# Altium PCB power.PcbDoc (part 1 of 3) (continued)
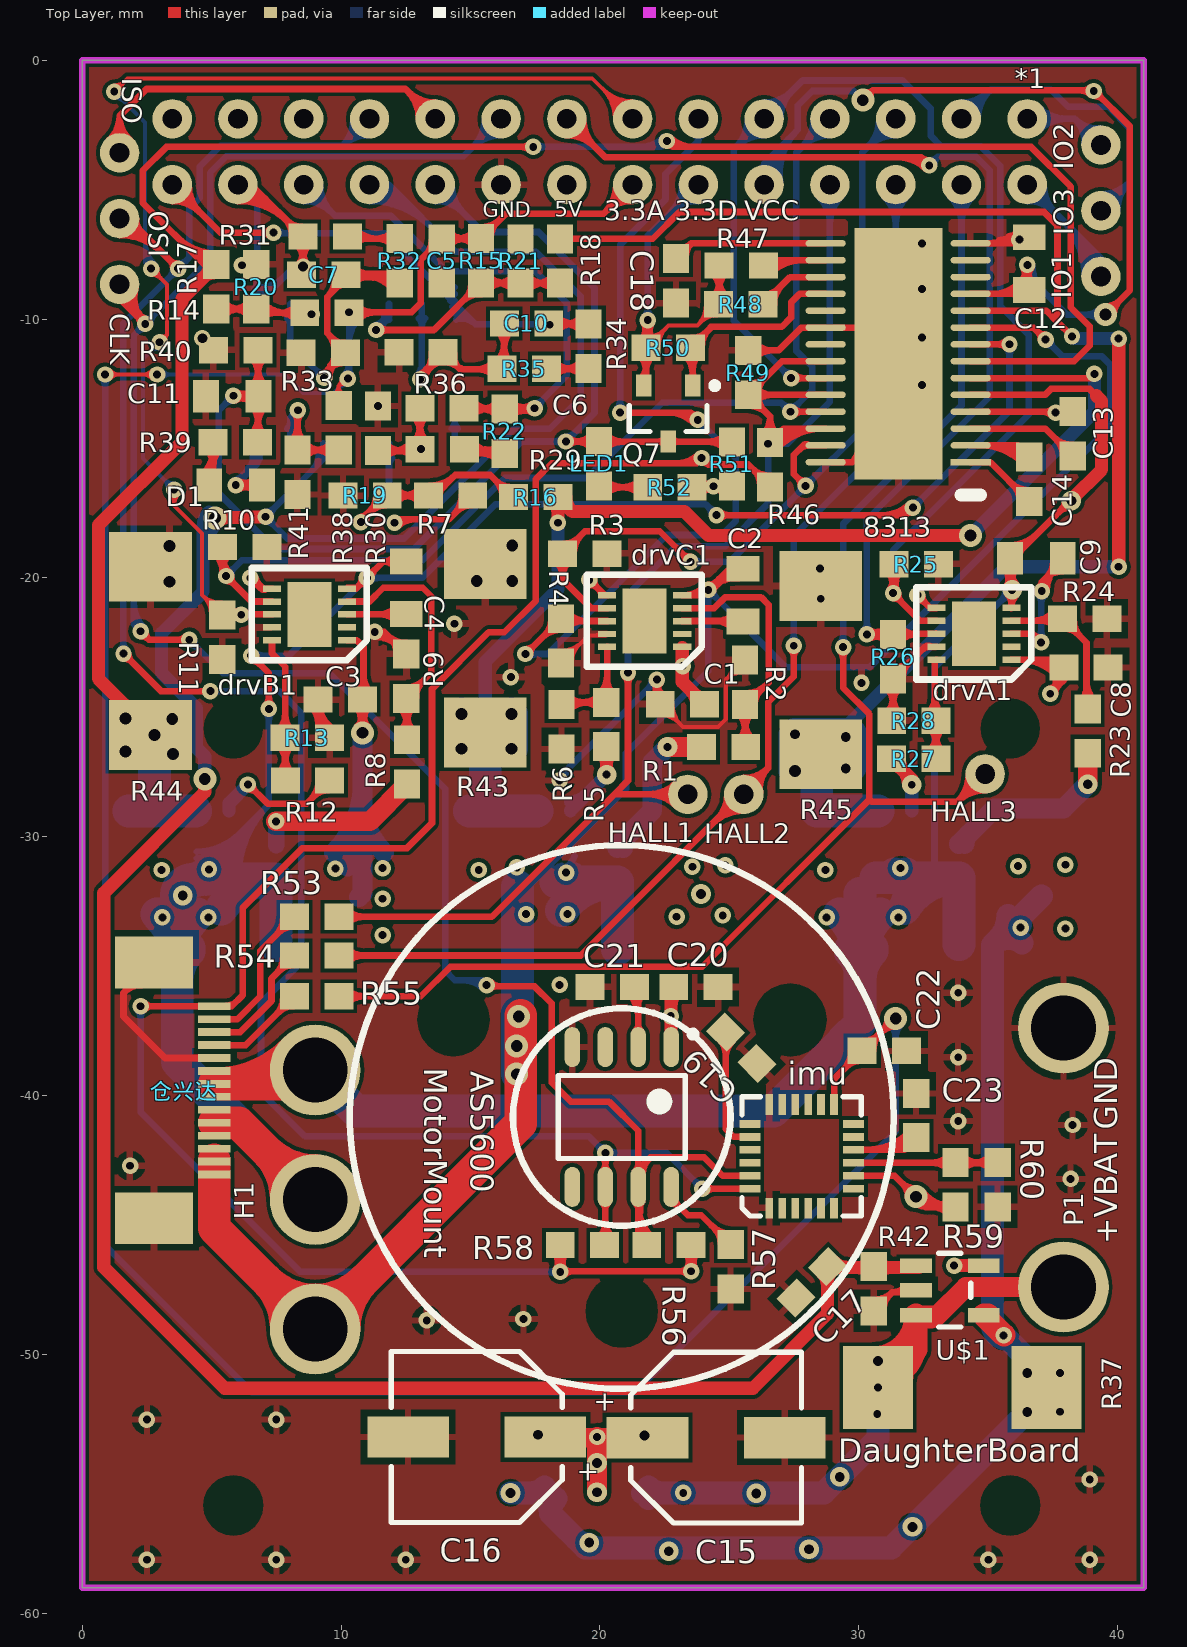
[diagram p0: Top Layer view]
## Part data
B1 MotorMount: library part SolderBridge, "Connector"
C1 C2 C3 C4 C8 C9 C12: "Capacitor"
C5 C6 C7 C10 C11 C13 C14 C17 C18 C19 C20 C21 C22 C23: library part Cap, "Capacitor"
C15 C16: library part C-USC0402, "电容"
D1: "Default Diode"
H1: library part CON3, "Connector"
LED1: "LED"
P1: library part PowerCon, "Connector"
R1 R2 R3 R4 R5 R6 R8 R9 R10 R11 R12 R13 R23 R24 R25 R26 R27 R28: "Resistor"
R7 R14 R15 R16 R17 R18 R19 R20 R21 R22 R29 R30 R31 R32 R33 R34 R35 R36 R37 R38 R39 R40 R41 R42 R43 R44 R45 R46 R47 R48 R49 R50 R51 R52 R53 R54 R55 R56 R57 R58 R59 R60: library part Res1, "Resistor"

## Via types
v1: diameter 0.635, hole 0.305, Top Layer to Bottom Layer, 147 vias
v2: diameter 0.889, hole 0.457, Top Layer to Bottom Layer, 25 vias
v3: diameter 0.762, hole 0.381, Top Layer to Bottom Layer, 18 vias
v4: diameter 0.635, hole 0.381, Top Layer to Bottom Layer, 5 vias
v5: diameter 0.762, hole 0.305, Top Layer to Bottom Layer, 4 vias
v6: diameter 0.762, hole 0.457, Top Layer to Bottom Layer, 1 vias

## Nets (pads, with @x,y where several pads share a name; then routed paths per layer and width w, separated by ;. In a path a pad name is that pad's centre, name@x,y a point inside that pad or via, vN(x,y) a via of type N, cw(c..) or ccw(c..) an arc to the next point about the centre after c; other vN are vias at no path point)
3.3: drvA1.6 drvB1.6 drvC1.6 | length 6.8
  Top Layer w0.254: v1@6.502,-20.19 cw(c6.502,-20.65) 6.828,-20.324 cw(c7.153,-19.999) v1@6.693,-19.999 ; v1(6.502,-19.999) 6.912,-20.408 ; v1@6.688,-19.955 ccw(c7.406,-19.784) drvB1.6@7.037,-20.423 ; v1@6.691,-20.026 ccw(c6.963,-20.064) 6.825,-20.301 ; 6.776,-20.272 ccw(c7.109,-19.939) drvB1.6@7.109,-20.41 ; drvB1.6@7.11,-20.41 cw(c7.012,-20.308) 6.912,-20.408 ; drvB1.6@7.334,-20.408 6.912,-20.408 ; v1@19.583,-20.266 cw(c19.583,-20.726) 19.909,-20.401 cw(c20.234,-20.075) v1@19.774,-20.075 ; v1(19.583,-20.075) 20.17,-20.662 drvC1.6@20.275,-20.662 ; 19.969,-20.461 cw(c19.767,-20.662) drvC1.6@20.052,-20.662 ; v1@32.258,-20.85 cw(c32.258,-21.31) 32.583,-20.985 cw(c32.908,-20.66) v1@32.448,-20.66 ; v1(32.258,-20.66) 32.756,-21.158 drvA1.6@32.988,-21.158
3.3A: *1.22 C5.1 C22.2 imu.8 imu.13 OP4-*.4 R7.2 R14.2 R15.2 R38.2 R59.1 | length 150.5
  Top Layer w0.152: v1(0.889,-12.141) v1(2.896,-12.141) ; v1@1.06,-12.312 cw(c1.472,-12.724) 1.472,-12.141 cw(c1.472,-11.559) v1@1.06,-11.971 ; v1@2.725,-12.312 ccw(c2.313,-12.724) 2.313,-12.141 ccw(c2.313,-11.559) v1@2.725,-11.971 ; R38.2@9.707,-12.91 ccw(c9.536,-12.582) 9.906,-12.582 ; R38.2@9.906,-13.344 9.906,-12.582 ; v1@10.02,-12.304 cw(c9.63,-12.306) 9.906,-12.582 ; R38.2@10.105,-12.91 cw(c10.276,-12.582) 9.906,-12.582 ; v1@10.173,-12.527 ccw(c10.081,-12.758) 9.906,-12.582 ; v1@10.185,-12.303 9.906,-12.582
  Top Layer w0.254: v1(10.312,-9.738) 12.725,-9.738 13.081,-9.382 13.081,-7.705 C5.1@13.885,-6.901 ; R14.2@10.447,-9.872 cw(c10.772,-10.198) 10.772,-9.738 cw(c10.772,-9.278) R14.2@10.447,-9.603 ; R14.2@10.633,-10.032 cw(c11.344,-10.744) 11.344,-9.738 ; R14.2@10.633,-9.494 ccw(c11.222,-8.905) 11.222,-9.738 ; v1@12.09,-17.891 12.243,-17.739 14.16,-17.739 R7.2@15.088,-16.812 ; v1@12.2,-18 cw(c12.832,-18.632) 12.832,-17.739 ; 13.147,-7.638 cw(c13.885,-8.375) C5.1@13.885,-7.333 ; 13.27,-7.515 ccw(c12.706,-6.952) C5.1@13.504,-6.952 ; C5.1@13.91,-6.887 R15.2@15.409,-6.887 16.368,-5.928 20.142,-5.928 *1.22@21.26,-4.81 ; C5.1@14.154,-7.17 cw(c14.837,-7.854) 14.837,-6.887 ; C5.1@14.154,-6.632 ccw(c14.771,-6.014) 14.771,-6.887 ; 14.35,-17.549 ccw(c13.613,-16.812) R7.2@14.656,-16.812 ; 14.473,-17.426 cw(c15.037,-17.99) R7.2@15.037,-17.193 ; R15.2@15.139,-7.157 ccw(c14.489,-7.807) 14.489,-6.887 ccw(c14.489,-5.968) R15.2@15.139,-6.618 ; R15.2@15.409,-6.456 ccw(c15.409,-5.413) 16.146,-6.15 ; R15.2@15.79,-6.837 cw(c16.587,-6.837) 16.023,-6.273 ; *1.22@20.625,-4.81 cw(c19.092,-4.81) 20.176,-5.894 cw(c21.26,-6.978) *1.22@21.26,-5.445 ; *1.22@20.879,-4.81 cw(c19.959,-4.81) 20.609,-5.46 cw(c21.26,-6.111) *1.22@21.26,-5.191 ; imu.13@29.04,-40.333 29.04,-39.347 C22.2@30.124,-38.262 31.166,-37.22 v2@31.166,-37.008 ; 29.387,-38.999 ccw(c28.65,-38.262) C22.2@29.693,-38.262 ; 29.51,-38.876 cw(c30.074,-39.44) C22.2@30.074,-38.643 ; imu.8@29.79,-43.083 31.374,-43.083 32.584,-44.293 ; C22.2@30.175,-37.881 ccw(c30.175,-37.084) 30.739,-37.647 ; C22.2@30.556,-38.262 cw(c31.599,-38.262) 30.862,-37.525 ; 30.807,-37.579 cw(c31.42,-38.192) v2@31.42,-37.325 ; 30.907,-37.479 ccw(c30.436,-37.008) v2@31.102,-37.008 ; 31.622,-43.331 ccw(c32.207,-42.746) v2@32.207,-43.574 ; 31.683,-43.393 cw(c31.185,-43.891) v2@31.89,-43.891 ; v2@32.06,-44.012 ccw(c32.655,-43.522) 32.655,-44.293 ; v2@32.256,-43.851 ccw(c33.193,-43.08) 33.193,-44.293 ; v2@32.274,-44.202 cw(c32.344,-44.533) 32.584,-44.293 ; v2@32.452,-43.69 ccw(c33.731,-42.638) R59.1@33.731,-44.293 32.584,-44.293 ; v2@32.51,-43.988 ccw(c32.798,-44.08) 32.584,-44.293 ; R59.1@33.462,-44.563 ccw(c32.811,-45.213) 32.811,-44.293 ccw(c32.811,-43.374) R59.1@33.462,-44.024
  Bottom Layer w0.152: v1@2.87,-12.141 v1(2.896,-12.141) 7.823,-12.141 8.534,-12.852 9.712,-12.852 v1(10.262,-12.303) ; v1@3.066,-12.312 cw(c3.478,-12.724) 3.478,-12.141 cw(c3.478,-11.559) v1@3.066,-11.971 ; v1@10.02,-12.303 cw(c9.438,-12.303) 9.85,-12.715 cw(c10.262,-13.127) v1@10.262,-12.544
  Bottom Layer w0.254: v1@0.754,-12.276 cw(c0.429,-12.601) 0.889,-12.601 cw(c1.349,-12.601) v1@1.024,-12.276 ; v1(0.889,-12.141) 0.889,-45.771 6.553,-51.435 21.361,-51.435 31.42,-41.377 v2(31.42,-37.008) ; v1@10.127,-12.168 ccw(c9.679,-11.72) 10.312,-11.72 ; v1@10.178,-9.872 cw(c9.852,-10.198) 10.312,-10.198 cw(c10.772,-10.198) OP4-*.4@10.447,-9.872 ; v1(10.262,-12.303) 10.312,-12.252 v1(10.312,-9.738) 10.312,-9.672 OP4-*.4@10.583,-9.402 ccw(c10.805,-9.625) OP4-*.4@10.498,-9.695 ; 10.312,-11.966 ccw(c10.599,-11.966) v1@10.396,-12.168 ; 10.312,-10.922 cw(c11.652,-10.922) OP4-*.4@10.705,-9.974 ; 10.312,-10.309 cw(c11.039,-10.309) OP4-*.4@10.525,-9.795 ; OP4-*.4@10.312,-9.695 cw(c10.426,-9.695) OP4-*.4@10.346,-9.615 ; OP4-*.4@10.312,-9.547 ccw(c10.312,-9.245) OP4-*.4@10.526,-9.459 ; v2@31.195,-37.232 cw(c30.653,-37.774) 31.42,-37.774 cw(c32.186,-37.774) v2@31.644,-37.232
  other v1: 12.065,-17.866
  other v2: 32.207,-43.891
3.3D: *1.23 Q7.2 R46.1 R47.1 R48.1 R50.1 R56.2 R58.2 仓兴达.1 | length 118.2
  Top Layer w0.152: R50.1@21.781,-11.109 21.844,-11.047 22.645,-10.246 23.763,-10.246 ; R50.1@21.832,-10.83 ccw(c21.832,-10.278) R50.1@22.222,-10.668 ; R50.1@21.832,-10.677 ccw(c21.832,-9.758) 22.483,-10.408 ; R50.1@22.112,-11.109 cw(c22.909,-11.109) 22.345,-10.546 ; R50.1@22.264,-11.109 cw(c23.429,-11.109) 22.605,-10.285 ; 23.874,-10.134 cw(c24.525,-10.784) R48.1@24.525,-9.865 ; 24.019,-9.989 ccw(c23.473,-9.443) R48.1@24.245,-9.436 ; R48.1@24.093,-9.437 cw(c22.965,-9.448) 23.763,-10.246 ; R48.1@24.134,-9.874 cw(c24.525,-10.264) R48.1@24.525,-9.712 ; R48.1@24.575,-9.433 23.763,-10.246
  Top Layer w0.254: v1(2.258,-36.537) 仓兴达.1@5.105,-36.537 5.779,-36.537 6.198,-36.119 6.198,-32.741 8.509,-30.429 12.548,-30.429 13.513,-29.464 13.513,-24.282 15.697,-22.098 16.307,-22.098 17.526,-20.879 17.526,-16.18 18.138,-15.568 23.726,-15.568 v1(23.927,-15.367) 24.177,-15.617 ; v1@2.393,-36.672 cw(c2.718,-36.997) 2.718,-36.537 cw(c2.718,-36.077) v1@2.393,-36.402 ; 仓兴达.1@5.58,-36.514 ccw(c5.58,-35.978) 5.959,-36.357 ; R58.2@18.196,-46.024 cw(c17.546,-46.675) 18.466,-46.675 cw(c19.386,-46.675) R58.2@18.735,-46.024 ; v1@18.301,-46.701 ccw(c17.809,-46.417) 18.358,-46.27 ; v1@18.331,-46.661 ccw(c18.006,-46.336) 18.466,-46.336 ccw(c18.926,-46.336) 18.601,-46.661 ccw(c18.864,-46.398) 18.864,-46.771 ; v1@18.371,-46.631 ccw(c18.194,-46.326) 18.535,-46.417 ; 18.397,-46.417 ccw(c18.737,-46.326) v1@18.561,-46.631 ; v1(18.466,-46.796) R58.2@18.466,-45.755 ; v1@18.491,-46.771 v1(23.52,-46.771) R56.2@23.52,-45.755 ; 18.574,-46.27 ccw(c19.122,-46.417) v1@18.631,-46.701 ; v1@18.601,-46.931 cw(c18.987,-47.317) 18.987,-46.771 ; R50.1@21.512,-11.379 cw(c20.862,-12.029) 21.781,-12.029 cw(c22.701,-12.029) R50.1@22.051,-11.379 ; Q7.2@21.559,-12.327 ccw(c21.022,-11.79) 21.781,-11.79 ; R50.1@21.563,-10.84 ccw(c20.884,-10.161) v1@21.844,-10.161 ; v1@21.679,-10.138 cw(c21.19,-10.42) 21.735,-10.566 ; v1@21.709,-10.177 cw(c21.384,-10.502) 21.844,-10.502 cw(c22.304,-10.502) v1@21.979,-10.177 ; v1@21.749,-10.207 cw(c21.596,-10.471) 21.891,-10.392 ; 21.774,-10.423 cw(c22.117,-10.515) v1@21.939,-10.207 ; Q7.2@21.781,-12.594 R50.1@21.781,-11.109 ; R50.1@21.844,-11.047 v1(21.844,-10.042) ; v1@21.844,-10.218 ccw(c22.724,-10.218) R50.1@22.102,-10.84 ; 21.941,-10.582 cw(c22.482,-10.437) v1@22.006,-10.143 ; 22.982,-15.568 ccw(c22.982,-14.422) v1@23.792,-15.232 ; R56.2@23.251,-46.024 cw(c22.601,-46.675) 23.52,-46.675 cw(c24.44,-46.675) R56.2@23.79,-46.024 ; v1@23.355,-46.676 ccw(c22.884,-46.403) R56.2@23.41,-46.262 ; v1@23.386,-46.906 ccw(c23.06,-47.231) 23.06,-46.771 ccw(c23.06,-46.311) 23.386,-46.636 ccw(c23.06,-46.311) 23.52,-46.311 ccw(c23.98,-46.311) v1@23.655,-46.636 ; v1@23.425,-46.606 ccw(c23.238,-46.281) 23.6,-46.378 ; 23.441,-46.378 ccw(c23.803,-46.281) v1@23.616,-46.606 ; 23.595,-15.568 ccw(c23.595,-15.036) v1@23.972,-15.412 ; R56.2@23.631,-46.262 ccw(c24.157,-46.403) v1@23.685,-46.676 ; v1@23.965,-15.554 cw(c24.012,-15.781) 24.177,-15.617 ; v1@24.113,-15.406 ccw(c24.341,-15.453) 24.177,-15.617 ; R47.1@24.331,-8.204 cw(c23.681,-8.854) 24.601,-8.854 cw(c25.521,-8.854) R47.1@24.87,-8.204 ; R48.1@24.357,-9.163 ccw(c23.768,-8.574) 24.601,-8.574 ; R48.1@24.601,-9.407 R47.1@24.601,-7.934 ; 24.601,-8.452 ccw(c25.607,-8.452) R48.1@24.896,-9.163 ; 25.855,-15.753 ccw(c26.568,-15.04) R46.1@26.568,-16.049 ; 25.944,-15.842 cw(c25.356,-16.43) R46.1@26.187,-16.43 ; R46.1@26.568,-16.48 26.568,-16.466 25.719,-15.617 24.177,-15.617
  Bottom Layer w0.254: v1@2.123,-36.672 cw(c1.798,-36.997) 2.258,-36.997 cw(c2.718,-36.997) v1@2.393,-36.672 ; v1(2.258,-36.537) 2.258,-40.622 8.433,-46.796 v1(18.466,-46.796) ; v1@18.331,-46.931 ccw(c18.006,-47.256) 18.006,-46.796 ccw(c18.006,-46.336) v1@18.331,-46.661 ; v1@21.709,-9.908 ccw(c21.384,-9.582) 21.844,-9.582 ccw(c22.304,-9.582) v1@21.979,-9.908 ; v1(21.844,-10.042) 21.844,-6.766 *1.23@23.8,-4.81 *1.23@24.155,-5.166 ; *1.23@23.165,-4.81 cw(c21.632,-4.81) 22.716,-5.894 cw(c23.8,-6.978) *1.23@23.8,-5.445 ; *1.23@23.419,-4.81 cw(c22.499,-4.81) 23.149,-5.46 cw(c23.8,-6.111) *1.23@23.8,-5.191
5V: *1.21 AS5600.1 C20.1 U$1.5 | length 4.6
  Top Layer w0.254: AS5600.1@22.746,-38.732 AS5600.1@22.746,-38.115
  Top Layer w0.508: AS5600.1@22.746,-38.115 C20.1@22.746,-35.862 ; 22.746,-36.536 cw(c23.535,-36.536) C20.1@22.977,-35.978 ; v1(33.678,-46.552) U$1.5@34.823,-46.552
  other v1: 22.733,-36.916
GND: 8313.0 8313.14 8313.20 8313.28 *1.20 AS5600.4 C1.2 C3.2 C5.2 C8.2 C11.2 C12.1 C15.2 C16.2 C17.1 C18.2 C19.2 C20.2 C21.1 C22.1 C23.1 drvA1.9 drvB1.9 drvC1.9 imu.1 imu.18 OP4-*.11 P1.2 R2.2 R3.2 R4.2 R6.2 R9.2 R10.2 R11.2 R13.2 R19.1 R20.1 R21.1 R24.2 R25.2 R26.2 R28.2 R30.1 R33.1 R36.1 R40.1 R41.1 R42.1 R43.1 R44.1 R45.1 R49.2 R51.1 R52.1 R57.2 R60.2 U$1.2 仓兴达.0 仓兴达.5 | length 85.7
  Top Layer w0.152: R4.2@18.491,-22.958 ccw(c18.491,-22.161) 19.055,-22.725 ; R4.2@18.491,-22.806 ccw(c18.491,-21.641) 19.315,-22.465 ; R4.2@18.758,-23.555 R4.2@18.491,-23.289 19.558,-22.222 20.216,-22.222 drvC1.9@20.275,-22.162 ; R4.2@18.771,-23.238 cw(c19.322,-23.238) R4.2@18.932,-22.847 ; R4.2@18.923,-23.238 cw(c19.843,-23.238) 19.192,-22.587 ; 19.789,-22.222 ccw(c19.789,-21.902) drvC1.9@20.016,-22.128 ; C1.2@21.97,-24.571 ccw(c21.417,-24.018) v1@22.2,-24.018 ; v1@22.029,-24.097 cw(c21.617,-24.509) 22.2,-24.509 cw(c22.782,-24.509) v1@22.37,-24.097 ; v1@22.031,-24.1 cw(c21.838,-24.298) 22.105,-24.369 cw(c22.43,-24.456) v1@22.296,-24.148 ; v1@22.079,-24.136 cw(c21.914,-24.422) 22.233,-24.337 ; v1@22.165,-24.166 cw(c22.142,-24.322) 22.295,-24.281 cw(c22.448,-24.24) v1@22.349,-24.116 ; v1@22.2,-24.212 ccw(c22.719,-24.212) C1.2@22.431,-24.644 ; 22.236,-24.348 cw(c22.421,-24.298) v1@22.323,-24.134 ; C1.2@22.377,-25.308 cw(c22.377,-26.228) 23.028,-25.577 ; C1.2@22.377,-25.155 cw(c22.377,-25.707) C1.2@22.768,-25.317 ; C1.2@22.515,-24.517 cw(c22.909,-23.927) v1(22.2,-23.927) 22.2,-24.749 C1.2@22.327,-24.876 23.206,-25.756 24.562,-25.756 24.867,-25.451 24.867,-23.911 ; C1.2@22.657,-24.876 ccw(c23.454,-24.876) 22.89,-25.44 ; C1.2@22.809,-24.876 ccw(c23.974,-24.876) 23.15,-25.7 ; 24.902,-23.875 ccw(c24.252,-23.225) R2.2@25.171,-23.225 ; R2.2@25.098,-23.679 cw(c25.528,-24.108) R2.2@25.579,-23.503 ; R2.2@25.162,-23.615 ccw(c24.772,-23.225) R2.2@25.324,-23.225 ; R2.2@25.566,-23.655 ccw(c25.491,-24.535) 24.867,-23.911 ; R2.2@25.603,-23.174 24.867,-23.911
  Top Layer w0.254: 仓兴达.0@1.621,-35.42 cw(c1.285,-35.712) 1.6,-36.027 ; 1.644,-35.984 cw(c2.28,-36.621) 仓兴达.0@2.28,-35.72 ; 仓兴达.0@1.793,-35.835 ccw(c1.491,-35.533) 仓兴达.0@1.813,-35.253 ; 仓兴达.0@2.78,-34.847 1.6,-36.027 ; 仓兴达.5@5.105,-38.537 3.206,-38.537 1.6,-36.932 1.6,-36.027 ; C3.2@8.847,-24.964 cw(c8.196,-25.614) 9.116,-25.614 cw(c10.036,-25.614) C3.2@9.386,-24.964 ; R13.2@9.116,-25.676 ccw(c9.85,-25.676) R13.2@9.426,-26.275 ; C3.2@9.116,-25.185 ccw(c10.197,-25.185) R13.2@9.573,-26.068 ; R13.2@9.55,-26.171 9.116,-25.737 C3.2@9.116,-24.694 ccw(c10.544,-24.694) R13.2@9.72,-25.86 ; v1@11.303,-22.273 cw(c11.303,-23.595) R9.2@12.238,-22.66 ; v1(11.303,-22.082) 11.66,-22.082 ; v1@11.303,-22.019 cw(c11.303,-22.727) 11.804,-22.226 ; v1@11.461,-22.188 cw(c11.66,-22.321) 11.66,-22.082 ; v1@11.461,-21.976 ccw(c11.66,-21.843) 11.66,-22.082 ; 11.783,-22.205 ccw(c12.52,-21.468) R9.2@12.52,-22.51 ; 11.905,-22.327 cw(c11.342,-22.891) R9.2@12.139,-22.891 ; R9.2@12.52,-22.942 11.66,-22.082 ; C1.2@22.123,-24.673 C1.2@22.2,-24.749 ; R52.1@23.558,-16.494 R51.1@25.361,-16.494 ; R52.1@23.84,-16.494 ccw(c23.84,-15.915) v1@24.249,-16.324 ; R52.1@23.878,-16.763 cw(c24.528,-17.414) 24.528,-16.494 cw(c24.528,-15.574) R52.1@23.878,-16.225 ; R52.1@23.95,-16.649 ccw(c23.856,-16.301) v1@24.202,-16.404 ; R52.1@24.008,-16.494 cw(c24.008,-16.835) v1@24.249,-16.594 ; v1@24.147,-16.494 cw(c24.147,-17.454) R51.1@24.826,-16.775 ; v1@24.2,-16.507 ccw(c24.012,-16.557) 24.062,-16.369 ccw(c24.114,-16.174) v1@24.253,-16.321 ; v1@24.204,-16.494 ccw(c24.204,-15.614) R51.1@24.826,-16.236 ; v1@24.519,-16.594 cw(c24.76,-16.835) R51.1@24.76,-16.494 ; v1@24.519,-16.324 ccw(c24.928,-15.915) R51.1@24.928,-16.494 ; R49.2@25.73,-11.211 26.899,-11.211 27.781,-10.329 8313.20@28.715,-10.329 8313.0@30.512,-10.329 ; R49.2@26,-11.48 cw(c26.65,-12.131) 26.65,-11.211 cw(c26.65,-10.291) R49.2@26,-10.941 ; 8313.28@28.715,-15.529 29.743,-15.529 ; 8313.0@29.975,-14.778 cw(c29.148,-14.934) 29.743,-15.529 ; R42.1@30.569,-48.301 31.292,-47.578 ; R42.1@30.574,-47.87 ccw(c30.588,-46.875) 31.292,-47.578 ; R42.1@30.95,-48.251 cw(c31.747,-48.251) 31.183,-47.687 ; R26.2@31.046,-24.215 cw(c30.396,-24.865) 31.316,-24.865 cw(c32.236,-24.865) R26.2@31.585,-24.215 ; R28.2@31.049,-25.242 ccw(c30.404,-24.597) 31.316,-24.597 ; R28.2@31.316,-25.463 R26.2@31.316,-23.894 32.552,-22.658 ; 31.316,-24.586 ccw(c32.244,-24.586) R28.2@31.588,-25.242 ; R26.2@31.316,-23.463 ccw(c31.316,-22.42) 32.053,-23.157 ; 31.32,-47.578 ccw(c31.32,-46.95) U$1.2@31.764,-47.394 ; 8313.0@31.521,-13.751 29.743,-15.529 ; R26.2@31.697,-23.844 cw(c32.494,-23.844) 31.93,-23.28 ; U$1.2@32.317,-47.578 31.292,-47.578 ; 32.407,-22.803 cw(c32.763,-23.159) drvA1.9@32.763,-22.656 ; drvA1.9@32.764,-22.656 ccw(c32.659,-22.764) 32.552,-22.658 ; drvA1.9@32.988,-22.658 32.552,-22.658 ; 8313.14@34.315,-7.079 36.584,-7.079 cw(c36.584,-6.876) C12.1@36.383,-6.906 ; 8313.14@34.969,-7.079 ccw(c34.969,-5.37) C12.1@36.177,-6.578 ; 35.386,-7.079 ccw(c35.386,-6.125) C12.1@36.06,-6.799 ; 35.408,-6.966 cw(c35.648,-7.562) C12.1@36.07,-7.078 ; 35.582,-7.079 ccw(c35.582,-5.983) C12.1@36.357,-6.758 ; 35.793,-6.811 cw(c35.954,-7.211) C12.1@36.237,-6.886
  Bottom Layer w0.254: v1(18.44,-27.813) 18.44,-27.686 v1(22.2,-23.927) ; v1@18.631,-27.813 cw(c19.397,-27.813) 18.855,-27.271 ; v1@22.009,-23.927 cw(c21.549,-23.927) 21.874,-24.252 cw(c22.2,-24.577) v1@22.2,-24.117
  other v1: 2.5,-57.912 7.5,-57.912 12.5,-57.912 35,-57.912 38.913,-57.912 38.913,-54.813 2.5,-52.5 7.5,-52.5 13.31,-48.666 17.043,-48.616 38.176,-43.205 1.854,-42.697 38.252,-41.123 33.833,-40.97 33.833,-38.506 33.833,-36.017 18.44,-35.712 30.099,-24.054 16.561,-23.825 14.376,-21.768 28.524,-20.803 28.499,-19.634 24.384,-16.459 11.43,-13.358 32.436,-12.548 32.436,-10.719 32.436,-8.839 6.172,-7.925 32.436,-7.087 36.195,-6.934
  other v2: 3.378,-20.142 15.24,-20.117 16.612,-20.117 3.378,-18.771 16.612,-18.745
  other v4: 4.648,-10.744
Net8313_1: 8313.1 C14.1 | length 4.4
  Top Layer w0.254: 8313.1@34.315,-15.529 35.077,-15.529 C14.1@36.474,-16.926 ; 8313.1@34.965,-15.527 cw(c34.965,-15.792) 35.153,-15.605 ; 35.859,-16.31 ccw(c36.576,-15.593) C14.1@36.576,-16.607 ; 35.953,-16.405 cw(c35.369,-16.988) C14.1@36.195,-16.988
Net8313_2: 8313.2 C14.2 | length 6.4
  Top Layer w0.254: 8313.2@34.315,-14.879 36.129,-14.879 C14.2@36.576,-15.326 ; 8313.2@34.7,-14.879 cw(c34.7,-17.151) C14.2@36.307,-15.544 ; 35.313,-14.879 cw(c35.313,-16.537) C14.2@36.486,-15.365 ; 35.927,-14.879 cw(c35.927,-15.924) C14.2@36.666,-15.185
Net8313_3: 8313.3 C13.2 | length 5.8
  Top Layer w0.254: 8313.3@34.315,-14.229 37.19,-14.229 C13.2@38.252,-15.291 ; 37.515,-14.554 ccw(c38.252,-13.817) C13.2@38.252,-14.859 ; 37.638,-14.676 cw(c37.074,-15.24) C13.2@37.871,-15.24
Net8313_5: 8313.5 C9.1 drvA1.5 H1.1 Q5.S Q6.D 仓兴达.6 仓兴达.7 仓兴达.8 | length 94.8
  Top Layer w0.254: 8313.5@34.315,-12.929 37.185,-12.929 37.414,-12.7 38.904,-12.7 39.167,-12.963 ; C9.1@35.576,-19.636 cw(c34.822,-20.39) v5@35.888,-20.39 ; v5@35.696,-20.329 ccw(c35.193,-20.039) 35.754,-19.889 ; v5@35.736,-20.636 cw(c35.369,-21.003) 35.888,-21.003 ; v5@35.736,-20.277 ccw(c35.369,-19.91) 35.888,-19.91 ; C9.1@35.742,-19.844 ccw(c36.365,-19.677) v5@36.043,-20.236 ; C9.1@35.839,-18.983 ccw(c35.839,-18.136) 36.439,-18.735 ; C9.1@35.839,-18.729 ccw(c35.839,-17.268) 36.872,-18.301 ; drvA1.5@35.888,-21.158 35.888,-19.286 39.37,-15.804 ; drvA1.5@35.888,-21.136 cw(c36.596,-21.136) v5@36.095,-20.636 ; v5@35.888,-20.156 cw(c36.623,-20.156) C9.1@36.103,-19.636 ; C9.1@35.888,-19.776 ccw(c36.596,-19.776) v5@36.095,-20.277 ; 35.939,-19.963 ccw(c36.181,-20.028) v5@36.049,-20.24 ; C9.1@36.212,-19.102 cw(c36.553,-19.102) C9.1@36.312,-18.862 ; 37.69,-17.484 cw(c38.202,-17.996) v3@38.202,-17.272 ; 37.8,-17.373 ccw(c37.445,-17.018) v3@37.948,-17.018 ; v3@38.202,-16.764 ccw(c38.202,-16.262) 38.557,-16.617 ; v3@38.456,-17.018 cw(c39.18,-17.018) 38.668,-16.506
  Top Layer w0.508: v3(38.202,-17.018) 38.202,-16.983 39.37,-15.815 39.37,-15.804 39.37,-13.166 39.167,-12.963
  Top Layer w1.27: H1.1@8.198,-38.225 cw(c5.106,-35.236) 仓兴达.7@5.105,-39.537 8.463,-39.537 H1.1@9,-39
  Bottom Layer w0.254: 32.918,-31.575 32.918,-23.454 v5(35.916,-20.456) ; Q5.S@33.909,-34.223 Q5.S@33.96,-34.223 ; v5@35.662,-20.456 cw(c35.048,-20.456) 35.482,-20.89 cw(c35.916,-21.324) v5@35.916,-20.71
  Bottom Layer w1.27: H1.1@9,-39 10.589,-40.589 26.697,-40.589 29.378,-37.908 29.378,-37.865 30.041,-37.202 Q6.D@30.041,-32.191 ; Q6.D@29.253,-32.979 cw(c27.349,-34.883) 30.041,-34.883 cw(c32.733,-34.883) Q6.D@30.829,-32.979 ; Q6.D@29.678,-34.444 cw(c28.801,-35.321) 30.041,-35.321 ; Q6.D@29.678,-34.318 ccw(c28.801,-33.441) Q6.D@30.041,-33.441 ; 30.041,-35.522 cw(c31.622,-35.522) Q6.D@30.504,-34.404 ; Q6.D@30.041,-33.16 ccw(c31.622,-33.16) Q6.D@30.504,-34.278 ; Q6.D@30.657,-31.575 32.918,-31.575 ; Q6.D@31.373,-31.425 ccw(c31.734,-31.064) Q6.D@31.734,-31.575 ; Q6.D@31.461,-31.575 ccw(c31.461,-31.064) Q6.D@31.822,-31.425 ; Q6.D@31.745,-32.767 cw(c33.858,-34.042) Q5.S@33.858,-31.575 ; Q5.S@33.858,-34.147 Q5.S@33.858,-32.875 Q5.S@33.858,-31.575 ; 32.918,-31.575 ccw(c32.918,-32.632) 31.883,-32.417 cw(c32.918,-32.632) 32.918,-31.575 ; 32.918,-31.575 Q5.S@33.858,-31.575
  other v1: 28.753,-33.106 31.521,-33.106 28.702,-31.277 31.598,-31.201
Net8313_6: 8313.6 Q2.S R16.1 R43.2 | length 49.8
  Top Layer w0.254: 8313.6@34.315,-12.279 v1@38.928,-12.279
  Top Layer w0.508: R16.1@18.196,-17.055 cw(c17.763,-17.488) 18.376,-17.488 cw(c18.989,-17.488) R16.1@18.556,-17.055 ; v1(18.376,-17.866) R16.1@18.376,-16.875 18.935,-17.434 23.266,-17.434 24.194,-18.361 v2(34.303,-18.361) ; R16.1@18.427,-17.129 cw(c18.427,-17.62) R16.1@18.774,-17.273 ; R16.1@18.681,-16.875 ccw(c19.417,-16.875) 18.896,-17.395
  Bottom Layer w0.508: 15.57,-25.967 15.57,-23.241 18.376,-20.435 v1(18.376,-17.866) ; v2(34.303,-18.361) 39.091,-13.573 v1(39.091,-12.116)
  Bottom Layer w1.27: v2(14.656,-26.594) v2(14.656,-25.248) ; Q2.S@14.961,-28.991 Q2.S@16.261,-28.991 Q2.S@17.561,-28.991 ; 15.57,-28.864 15.57,-25.967 ; v2(16.586,-26.594) v2(16.586,-25.248)
Net8313_7: 8313.7 Q4.S R17.1 R44.2 | length 98.6
  Top Layer w0.254: 3.66,-6.835 ccw(c5.182,-5.313) R17.1@5.182,-7.465 ; 4.093,-7.268 ccw(c5.182,-6.18) R17.1@5.182,-7.719 ; 4.527,-7.702 ccw(c5.182,-7.048) R17.1@5.182,-7.973 ; R17.1@5.182,-7.897 4.722,-7.897 2.337,-5.512 2.337,-4.277 3.261,-3.353 v1(17.424,-3.353) ; v1@17.29,-3.488 ccw(c16.964,-3.813) 16.964,-3.353 ccw(c16.964,-2.893) v1@17.29,-3.218 ; v1@22.536,-3.169 ccw(c22.979,-2.726) 22.979,-3.353 ; v1(22.581,-3.124) 22.809,-3.353 ; v1@22.633,-3.307 cw(c22.683,-3.479) 22.809,-3.353 ; v1@22.715,-2.989 ccw(c23.592,-2.112) 23.592,-3.353 ; v1@22.764,-3.177 ccw(c22.936,-3.226) 22.809,-3.353 ; 8313.7@34.315,-11.629 38.308,-11.629 38.913,-11.024 38.913,-10.287 38.176,-9.55 38.176,-4.886 36.643,-3.353 22.809,-3.353
  Top Layer w0.508: R44.2@1.546,-25.564 cw(c0.966,-26.182) R44.2@1.813,-26.155 ; R44.2@2.579,-26.085 2.579,-25.829 0.633,-23.883 0.633,-17.96 3.861,-14.732 3.861,-9.218 R17.1@5.182,-7.897 ; R44.2@2.794,-26.629 v6(2.794,-26.06) R44.2@2.794,-26.044 ; 4.661,-8.417 cw(c5.182,-8.938) R17.1@5.182,-8.202 ; R17.1@4.784,-8.295 ccw(c4.437,-7.948) R17.1@4.928,-7.948
  Bottom Layer w0.254: v1(17.424,-3.353) 22.352,-3.353 v1(22.581,-3.124) ; v1@17.559,-3.488 cw(c17.884,-3.813) 17.884,-3.353 cw(c17.884,-2.893) v1@17.559,-3.218 ; 21.569,-3.353 ccw(c21.569,-2.112) v1@22.446,-2.989 ; 22.182,-3.353 ccw(c22.182,-2.726) v1@22.626,-3.169
  Bottom Layer w0.508: v6(2.794,-26.06) 2.311,-26.06 v2(1.676,-26.695) ; v2@3.404,-26.695 2.794,-26.695 v2(1.676,-26.695) ; v2@3.454,-25.425 v2(1.676,-25.425) v2(1.676,-26.695)
  Bottom Layer w0.762: v2(1.676,-25.425) 2.311,-26.06 ; v2(3.505,-26.797) v2@3.505,-25.476
  Bottom Layer w1.27: Q4.S@1.803,-28.991 Q4.S@2.794,-28.991 ; v6(2.794,-26.06) 2.794,-26.695 2.794,-28.709 Q4.S@3.076,-28.991 Q4.S@4.376,-28.991
  other v2: 3.48,-25.451
Net8313_8: 8313.8 C4.1 drvB1.5 H1.2 Q3.S Q4.D 仓兴达.9 仓兴达.10 仓兴达.11 | length 137.6
  Top Layer w0.254: v1@6.528,-23.187 cw(c6.528,-23.647) 6.853,-23.322 cw(c7.178,-22.996) v1@6.718,-22.996 ; v1(6.528,-22.996) 7.214,-23.682 v1(7.214,-25.054) ; v1@7.079,-24.919 ccw(c6.754,-24.594) 7.214,-24.594 ccw(c7.674,-24.594) v1@7.348,-24.919 ; drvB1.5@10.234,-20.376 10.615,-20.376 ; 10.667,-20.324 cw(c10.459,-20.116) 10.459,-20.41 ccw(c10.51,-20.272) 10.615,-20.376 ; v1@10.805,-19.995 cw(c10.345,-19.995) 10.671,-20.321 cw(c10.996,-20.646) v1@10.996,-20.186 ; v1@10.996,-19.805 ccw(c10.996,-19.345) 11.321,-19.67 ccw(c11.646,-19.995) v1@11.186,-19.995 ; C4.1@12.088,-19.587 ccw(c11.631,-19.936) 11.631,-19.36 ; C4.1@12.088,-19.134 cw(c11.631,-18.785) 11.631,-19.36 ; C4.1@12.52,-19.36 11.631,-19.36 ; v1(24.498,-17.574) 31.788,-17.574 ; v1@24.633,-17.708 cw(c24.958,-18.033) 24.958,-17.574 cw(c24.958,-17.114) v1@24.633,-17.439 ; 30.915,-17.574 ccw(c30.915,-16.116) v1@31.945,-17.147 ; 31.528,-17.574 ccw(c31.528,-16.73) v1@32.125,-17.326 ; v1@31.89,-17.296 cw(c31.539,-17.324) 31.788,-17.573 ; v1@32.065,-17.471 ccw(c32.037,-17.823) 31.788,-17.573 ; v1(32.08,-17.281) 31.788,-17.574 ; 8313.8@34.315,-10.979 v1@35.814,-10.979 ; 35.34,-10.979 ccw(c35.34,-10.498) v1@35.679,-10.838 ; 35.369,-10.979 cw(c35.369,-11.418) v1@35.679,-11.108 ; 10.615,-20.376 v1(10.996,-19.995) 11.631,-19.36
  Top Layer w1.27: 仓兴达.10@5.105,-41.037 6.037,-41.037 H1.2@9,-44 ; H1.2@7.885,-44 ccw(c5.193,-44) 7.097,-42.097 ccw(c9,-40.193) H1.2@9,-42.885
  Bottom Layer w0.254: Q4.D@3.676,-32.191 3.771,-32.191 Q4.D@4.336,-31.625 ; Q4.D@4.138,-32.222 cw(c4.833,-32.122) Q4.D@4.336,-31.626 ; Q4.D@4.426,-30.822 ccw(c4.426,-29.098) 5.645,-30.317 ; Q4.D@4.426,-30.568 ccw(c4.426,-28.231) 6.078,-29.883 ; Q4.D@4.749,-31.364 cw(c4.345,-31.662) Q4.D@4.841,-31.737 ; Q4.D@4.777,-32.156 cw(c6.643,-31.97) Q4.D@5.317,-30.645 ; Q4.D@4.85,-31.679 cw(c5.263,-31.742) Q4.D@5.015,-31.405 ; Q4.D@4.852,-31.068 ccw(c4.565,-30.02) Q4.D@5.509,-30.558 ; Q4.D@4.866,-31.064 ccw(c4.775,-30.597) Q4.D@5.17,-30.863 ; Q4.D@4.878,-31.44 ccw(c4.796,-32.085) Q4.D@4.336,-31.625 ; Q4.D@4.919,-31.313 ccw(c4.794,-30.857) Q4.D@5.205,-31.091 ; Q4.D@5.03,-32.131 cw(c7.333,-31.902) 5.696,-30.265 ; Q4.D@5.089,-31.215 cw(c5.525,-31.13) Q4.D@5.157,-30.882 ; Q4.D@5.093,-31.251 cw(c6.016,-31.251) Q4.D@5.363,-30.598 ; Q4.D@5.283,-32.106 cw(c8.023,-31.833) 6.076,-29.886 ; Q4.D@5.535,-32.08 cw(c8.713,-31.765) 6.455,-29.507 ; Q4.D@5.788,-32.055 cw(c9.403,-31.696) 6.834,-29.127 ; Q4.D@6.041,-32.03 cw(c10.093,-31.627) 7.213,-28.748 ; v1(6.528,-22.996) 7.995,-22.996 v1(10.996,-19.995) 13.126,-19.995 15.977,-17.145 24.07,-17.145 v1(24.498,-17.574) ; v1@6.663,-23.131 cw(c6.988,-23.456) 6.988,-22.996 cw(c6.988,-22.536) v1@6.663,-22.862 ; v1@7.079,-25.189 cw(c6.754,-25.514) 7.214,-25.514 cw(c7.674,-25.514) v1@7.348,-25.189 ; v1(7.214,-25.054) 7.214,-28.748 ; v1@10.805,-19.995 cw(c10.345,-19.995) 10.671,-20.321 cw(c10.996,-20.646) v1@10.996,-20.186 ; v1@11.131,-20.13 cw(c11.456,-20.455) 11.456,-19.995 cw(c11.456,-19.535) v1@11.131,-19.861 ; v1@24.308,-17.574 ccw(c23.848,-17.574) 24.173,-17.248 ccw(c24.498,-16.923) v1@24.498,-17.383 ; v1(32.08,-17.281) 35.814,-13.548 v1@35.814,-10.979 ; v1@32.08,-17.091 ccw(c32.08,-16.631) 32.405,-16.956 ccw(c32.731,-17.281) v1@32.271,-17.281 ; v1@35.679,-11.108 cw(c35.354,-11.433) 35.814,-11.433 cw(c36.274,-11.433) v1@35.949,-11.108 ; Q4.D@4.336,-31.625 7.214,-28.748
  Bottom Layer w1.27: Q4.D@2.887,-32.979 cw(c0.984,-34.883) 3.676,-34.883 cw(c6.368,-34.883) Q4.D@4.464,-32.979 ; Q4.D@3.313,-34.444 cw(c2.436,-35.321) 3.676,-35.321 ; Q4.D@3.313,-34.318 ccw(c2.436,-33.441) Q4.D@3.676,-33.441 ; Q4.D@3.323,-33.33 ccw(c2.472,-32.479) Q4.D@3.676,-32.479 ; Q4.D@3.323,-32.881 cw(c2.472,-33.732) Q4.D@3.676,-33.732 ; Q4.D@3.636,-32.215 cw(c4.336,-32.336) 4.336,-31.625 Q3.S@7.493,-31.625 ; 3.676,-35.522 cw(c5.257,-35.522) Q4.D@4.139,-34.404 ; Q4.D@3.676,-33.16 ccw(c5.257,-33.16) Q4.D@4.139,-34.278 ; Q4.D@3.676,-32.191 3.676,-38.676 H1.2@9,-44 ; Q4.D@3.707,-32.078 cw(c4.8,-33.172) Q4.D@4.8,-31.625 ; Q4.D@4.678,-31.476 ccw(c5.039,-31.115) Q4.D@5.039,-31.625 ; Q4.D@4.766,-31.625 ccw(c4.766,-31.115) Q4.D@5.127,-31.476 ; Q4.D@5.365,-32.791 cw(c7.493,-34.15) Q3.S@7.493,-31.625 ; Q3.S@7.493,-34.198 Q3.S@7.493,-32.925 Q3.S@7.493,-31.625 ; H1.2@7.885,-44 ccw(c5.193,-44) 7.097,-42.097 ccw(c9,-40.193) H1.2@9,-42.885
  other v1: 3.099,-33.106 4.877,-33.106 3.073,-31.277 4.902,-31.251 35.814,-10.973
  other v3: 3.886,-32.258